# Altium PCB MASOUD.PcbDoc (part 2 of 5)
Units mm, origin at the board's own origin, x right, y up, seen from the top; angles counter-clockwise.
Board outline 244.28 x 142.63 mm, 2 copper layers (Top Layer, Bottom Layer); 506 components, 0 nets, 1687 pads, 863 vias.
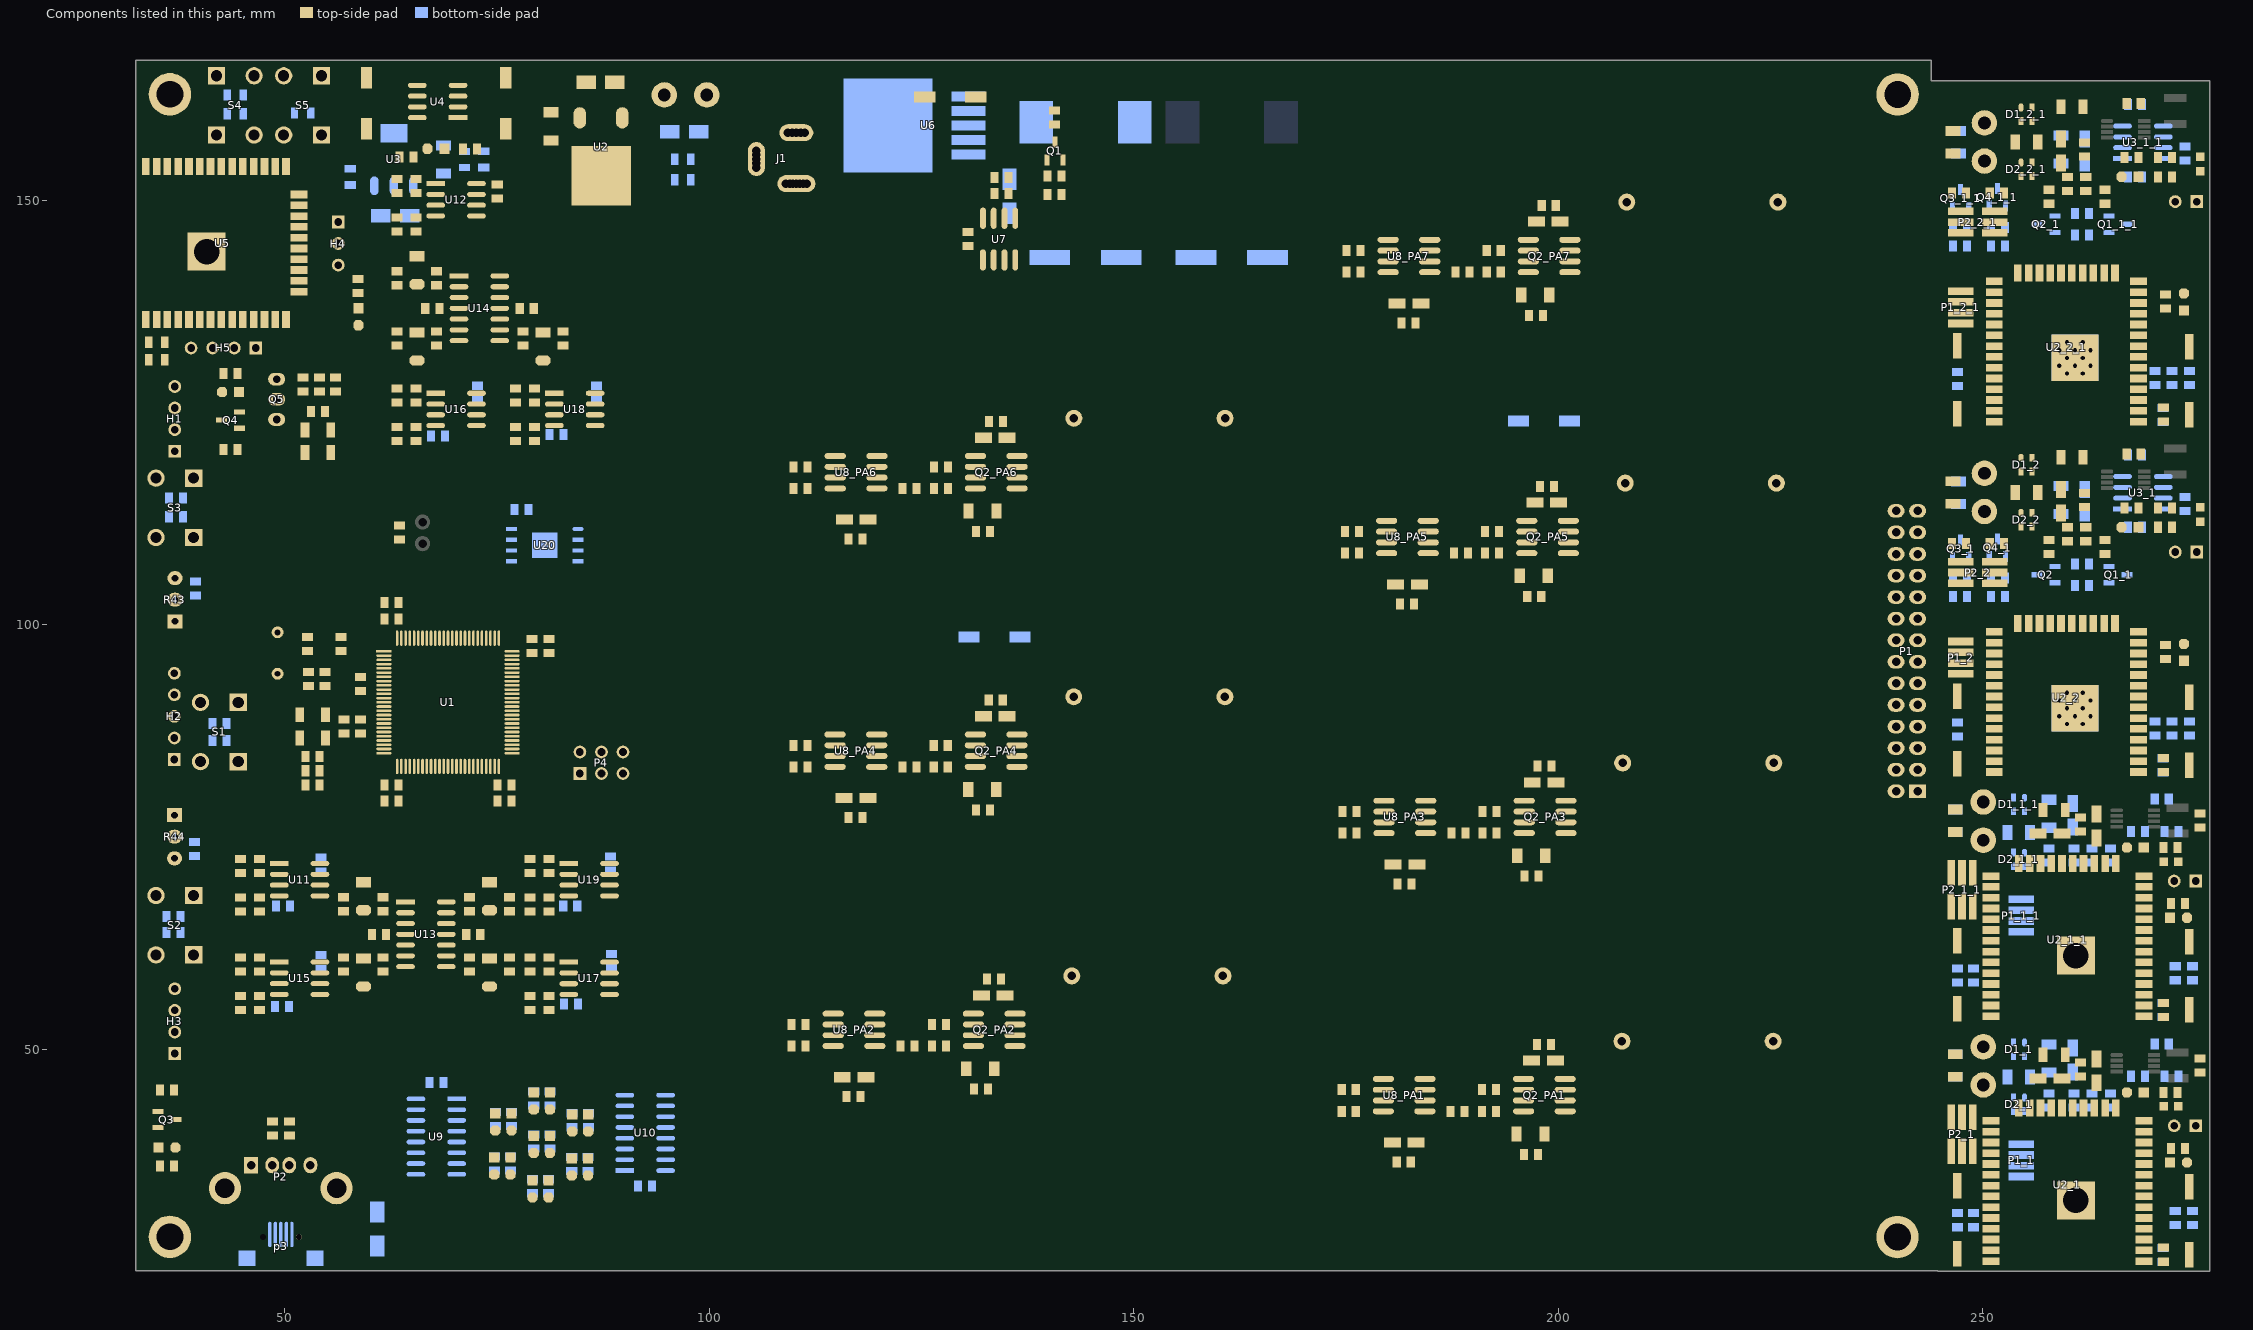
[diagram p2: the components of this part, seen from the top]

## Footprints (in the part's own frame and the unit in brackets; to place one, negate y for a bottom-side part, rotate by r counter-clockwise, add the part's x,y. Pads: shape width x height; smd on the part's side, far side on the other; paste and mask are expansions set on the pad) (continued)
LL4148#2 [mm] "MELF Diode, 2-Leads, Body 3.5x1.4mm, IPC Medium Density"
  rect 1.2x1.75 smd: 1(-1.65,0) 2(1.65,0)
  silkscreen extent -0.61,-0.87 0.57,0.88, body extent -1.78,-0.75 1.72,0.75, height 1.55
LQFP100_N [mm] "Thin QFP, 100-Leads, Body 14x14mm, Pitch 0.5mm, IPC Medium Density"
  rect 1.8x0.3 smd mask+0.05: 1(-7.55,6)
  oval 1.8x0.3 smd mask+0.05: 2(-7.55,5.5) 3(-7.55,5) 4(-7.55,4.5) 5(-7.55,4) 6(-7.55,3.5) 7(-7.55,3) 8(-7.55,2.5) 9(-7.55,2) 10(-7.55,1.5) 11(-7.55,1) 12(-7.55,0.5) 13(-7.55,0) 14(-7.55,-0.5) 15(-7.55,-1) 16(-7.55,-1.5) 17(-7.55,-2) 18(-7.55,-2.5) 19(-7.55,-3) 20(-7.55,-3.5) 21(-7.55,-4) 22(-7.55,-4.5) 23(-7.55,-5) 24(-7.55,-5.5) 25(-7.55,-6) 51(7.55,-6) 52(7.55,-5.5) 53(7.55,-5) 54(7.55,-4.5) 55(7.55,-4) 56(7.55,-3.5) 57(7.55,-3) 58(7.55,-2.5) 59(7.55,-2) 60(7.55,-1.5) 61(7.55,-1) 62(7.55,-0.5) 63(7.55,0) 64(7.55,0.5) 65(7.55,1) 66(7.55,1.5) 67(7.55,2) 68(7.55,2.5) 69(7.55,3) 70(7.55,3.5) 71(7.55,4) 72(7.55,4.5) 73(7.55,5) 74(7.55,5.5) 75(7.55,6)
  oval 0.3x1.8 smd mask+0.05: 26(-6,-7.55) 27(-5.5,-7.55) 28(-5,-7.55) 29(-4.5,-7.55) 30(-4,-7.55) 31(-3.5,-7.55) 32(-3,-7.55) 33(-2.5,-7.55) 34(-2,-7.55) 35(-1.5,-7.55) 36(-1,-7.55) 37(-0.5,-7.55) 38(0,-7.55) 39(0.5,-7.55) 40(1,-7.55) 41(1.5,-7.55) 42(2,-7.55) 43(2.5,-7.55) 44(3,-7.55) 45(3.5,-7.55) 46(4,-7.55) 47(4.5,-7.55) 48(5,-7.55) 49(5.5,-7.55) 50(6,-7.55) 76(6,7.55) 77(5.5,7.55) 78(5,7.55) 79(4.5,7.55) 80(4,7.55) 81(3.5,7.55) 82(3,7.55) 83(2.5,7.55) 84(2,7.55) 85(1.5,7.55) 86(1,7.55) 87(0.5,7.55) 88(0,7.55) 89(-0.5,7.55) 90(-1,7.55) 91(-1.5,7.55) 92(-2,7.55) 93(-2.5,7.55) 94(-3,7.55) 95(-3.5,7.55) 96(-4,7.55) 97(-4.5,7.55) 98(-5,7.55) 99(-5.5,7.55) 100(-6,7.55)
  silkscreen extent -7.67,-6.25 6.25,6.82, body extent -7,-7 7,7, height 1.6
M08A_N [mm] "SOIC, 8-Leads, Body 4.9x3.9mm, Pitch 1.27mm, IPC Medium Density"
  rect 2.2x0.6 smd: 1(-2.4,1.905)
  oval 2.2x0.6 smd: 2(-2.4,0.635) 3(-2.4,-0.635) 4(-2.4,-1.905) 5(2.4,-1.905) 6(2.4,-0.635) 7(2.4,0.635) 8(2.4,1.905)
  silkscreen extent -2.53,-2.5 0.9,2.88, body extent -2,-2.5 2,2.5, height 1.75
"Multi Turn 02" [mil]
  rect 70x65 hole 31.5: 1(0,0)
  oval 70x65 hole 31.5: 2(0,-200) 3(0,-100)
  silkscreen extent -94,-291 96,94, body extent -73,-285 93,89, height 452
my-term [mm]
  round 3 hole 1.5: 1(-2.168,0) 2(2.325,0)
  silkscreen extent -3.87,-1.7 3.98,1.71
"Power Jack" [mm] "Power Adaptor Jack"
  round 1.5 hole 1: 1(14.5,-1.25) 1(14.5,-0.8) 1(14.5,-0.4) 1(14.5,0.4) 1(14.5,0.8) 1(14.5,1.25) 2(8.5,-1) 2(8.5,1) 2(8.5,-0.5) 2(8.5,0.5) 3(10.6,-4.7) 3(11.1,-4.7) 3(12.1,-4.7) 3(12.6,-4.7)
  oval 2x4.5 hole 1: 1(14.5,0)
  oval 2x4 hole 1: 2(8.5,0)
  oval 4x2 hole 1: 3(11.6,-4.7)
  silkscreen extent 0,-4.9 15.2,4.5, body extent 0,-4.9 15.2,4.5, height 11
REG-7805-smd [mm]
  oval 1.5x2.5 smd: 1(-2.5,0) 3(2.5,0)
  rect 7x7 smd: 2(0,6.825)
  silkscreen extent -4.32,-1.82 4.19,11.18
RES0805 [mm] "Chip Resistor, 2-Leads, Body 2/00x1/25mm, IPC Medium Density DESIGNER:ABBAS BASEREH"
  rect 0.85x1.3 smd: 1(-0.95,0) 2(0.95,0)
  silkscreen extent -1.58,-0.82 1.58,0.82, body extent -1.02,-0.65 1.02,0.65, height 0.5
"RES 0805 (2012X06L)" [mm] "Chip Resistor, 2-Leads, Body 2.0x1.3mm, IPC High Density _ (0.100 W)"
  rect 0.95x1.3 smd: 1(0,0) 2(1.65,0)
  silkscreen extent 0.67,-0.55 0.97,0.55, body extent -0.19,-0.63 1.84,0.64, height 0.6
"RES 1206 (3216X08L)" [mm] "Chip Resistor, 2-Leads, Body 3.2x1.6mm, IPC High Density _ (0.125 W)"
  rect 1.05x1.7 smd: 1(0,0) 2(2.596,0)
  silkscreen extent 0.8,-0.75 1.8,0.75, body extent -0.23,-0.76 2.82,0.76, height 0.6
Screw [mm]
  round 5 hole 3.15 mask+0.1: S(0,0)
SMD_CAP_0805 [mm]
  rect 0.95x1.3 smd: 1(0,0) 2(1.65,0)
  silkscreen extent 0.67,-0.55 0.97,0.55, body extent -0.19,-0.63 1.84,0.63, height 0.65
SO8_M [mm] "SOIC, 8-Leads, Body 4.9x3.9mm, Pitch 1.27mm, IPC Low Density"
  oval 2.5x0.7 smd: 1(-2.45,1.905) 2(-2.45,0.635) 3(-2.45,-0.635) 4(-2.45,-1.905) 5(2.45,-1.905) 6(2.45,-0.635) 7(2.45,0.635) 8(2.45,1.905)
  silkscreen extent -2.57,-2.5 0.8,2.93, body extent -2,-2.5 2,2.5, height 1.75
SO8_N [mm] "SOIC, 8-Leads, Body 4.9x3.9mm, Pitch 1.27mm, IPC Medium Density"
  rect 2.2x0.6 smd: 1(-2.4,1.905)
  oval 2.2x0.6 smd: 2(-2.4,0.635) 3(-2.4,-0.635) 4(-2.4,-1.905) 5(2.4,-1.905) 6(2.4,-0.635) 7(2.4,0.635) 8(2.4,1.905)
  silkscreen extent -2.52,-2.5 0.9,2.88, body extent -1.95,-2.45 1.95,2.45, height 1.75
SO14_N [mm] "SOIC, 14-Leads, Body 8.7x3.9mm, Pitch 1.27mm, IPC Medium Density"
  rect 2.2x0.6 smd: 1(-2.4,3.81)
  oval 2.2x0.6 smd: 2(-2.4,2.54) 3(-2.4,1.27) 4(-2.4,0) 5(-2.4,-1.27) 6(-2.4,-2.54) 7(-2.4,-3.81) 8(2.4,-3.81) 9(2.4,-2.54) 10(2.4,-1.27) 11(2.4,0) 12(2.4,1.27) 13(2.4,2.54) 14(2.4,3.81)
  silkscreen extent -2.52,-4.4 0.9,4.78, body extent -1.95,-4.33 1.95,4.33, height 1.75
SOT23_N [mm] "SOT23, 3-Leads, Body 2.9x1.3mm, Pitch 0.95mm, Lead Span 2.3mm, IPC Medium Density"
  rect 1.3x0.6 smd: 1(-1.05,0.95) 2(-1.05,-0.95) 3(1.05,0)
  silkscreen extent -1.17,-1.5 0.7,1.92, body extent -1.27,-1.5 1.27,1.5, height 1.1
SOT223 [mm] "SOT223, 4-Leads, Body 6.5x3.5mm, Pitch 2.30mm-Designer Abbas Basereh"
  oval 2.2x1 smd: 1(-3.2,2.3) 2(-3.2,0) 3(-3.2,-2.3)
  rect 2.2x3.2 smd: 4(3,0)
  Top Layer pour cut-out: -1.7,3.556 1.7,3.556 1.7,-3.556 -1.7,-3.556
  silkscreen extent -3.02,-3.4 1.9,3.48, body extent -3.5,-3.25 3.5,3.25, height 1.7
SOT-32 [mm]
  oval 1.5x2 hole 0.9: B(6.25,1.5) C(3.875,1.5) E(1.5,1.5)
  silkscreen extent 0,0 7.8,3.25
"Switch - Push to On" [mil]
  rect 80x80 hole 51.18: 1(-137.5,87.5) 1(137.5,87.5)
  round 80 hole 51.18: 2(-137.5,-87.5) 2(137.5,-87.5)
  silkscreen extent -160,-130 160,130, body extent -155,-121 157,123, height 205
TACK-SW-3X5X6 [mm]
  rect 3x1 smd mask+0.05: 1(-4,0) 2(4,0)
  silkscreen extent -3,-1.78 3,1.78, body extent -4,-1.75 4,1.75, height 4.3
"Terminal 1*2_1" [mm]
  round 3 hole 1.5: 1(2.493,3.937) 2(7.493,3.937)
  silkscreen extent 0,0 10,9
UMD4 [mm]
  oct 0.6x0.9 smd mask+0.05: 1(-0.65,0.8)
  rect 0.6x0.9 smd mask+0.05: 2(-0.65,-0.8) 3(0.65,-0.8) 4(0.65,0.83)
  silkscreen extent -1.02,-1.27 1.02,1.27, body extent -1.05,-0.43 1.05,0.5, height 1
USB2.5-2H4C [mm] "Connector; USB1.1, Type A, Thru-Hole; 4 Position; Right Angle DESIGNER ABBAS BASEREH"
  rect 1.9x1.6 hole 1: 1(-5.49,-3.5)
  oval 1.9x1.6 hole 1: 2(-5.49,-1) 3(-5.49,1) 4(-5.49,3.5)
  round 3.8 hole 2.3: 4(-2.78,6.57) 4(-2.78,-6.57)
  silkscreen extent -6.96,-6.57 7,6.57, body extent -6.9,-7.9 7.6,7.9, height 7.35
USB_AB_BM_SHS [mm] "USB Micro AB - Standard (Bottom mount), Shell SMT DESIGNER ABBAS BASEREH"
  oval 0.4x3 smd mask+0.05: 1(1.3,-1.4) 2(0.65,-1.4) 3(0,-1.4) 4(-0.65,-1.4) 5(-1.3,-1.4)
  rect 2x1.8 smd mask+0.05: 5(-4,1.4) 5(4,1.4)
  round 0 hole 0.7 mask+0.05: H(-2.1,-1.1)
  round 0.7 hole 0.7 mask+0.05: H(2.1,-1.1)
  Keep-Out Layer board cut-out: -4.064,2.9 -4.064,4.291 4.064,4.291 4.064,2.9
  silkscreen extent -3.8,-1.47 3.8,2.9, body extent -4,-1.78 4,4.26, height 2.75
WSON-8x6 [mm]
  oct 1.3x0.5 smd: 1(-3.895,1.905)
  rect 1.3x0.5 smd: 2(-3.895,0.635) 3(-3.895,-0.635) 4(-3.895,-1.905) 5(3.895,-1.905) 6(3.895,-0.635) 7(3.895,0.635) 8(3.895,1.905)
  rect 3x3 smd paste-3: 9(0,0)
  Top Layer region: 1.675,2.15 1.675,-2.15 -1.675,-2.15 -1.7,-2.125 -1.7,1.55 -1.1,2.15
  silkscreen extent -4.6,-3 4,3, body extent -4,-3 4,3, height 0.75

## Part data
C1 C2 C3 C19 C25 C50: library part Cap
C1_1 C1_1_1 C1_2 C1_2_1 C2_1 C2_1_1 C2_2 C2_2_1 C3_1 C3_1_1 C3_2 C3_2_1: "Capacitor", LatestRevisionDate=17-Jul-2002, LatestRevisionNote="Re-released for DXP Platform.", PackageDescription="Radial Cap, Thru-Hole; 2 Leads; 0.3 in Pin Spacing", PackageReference=RAD-0.3, Published=8-Jun-2000, Publisher="Altium Limited"
C4 C10 C11 C27_PA1 C27_PA2 C27_PA3 C27_PA4 C27_PA5 C27_PA6 C27_PA7 C29_PA1 C29_PA2 C29_PA3 C29_PA4 C29_PA5 C29_PA6 C29_PA7 C30_PA1 C30_PA2 C30_PA3 C30_PA4 C30_PA5 C30_PA6 C30_PA7 C31 C32 C33 C34 C35 C36 C37 C38 C39 C40 C41 C42 C56 C58 C59 C60 C61 C62 C63 C64 C65 C66 C67 C68 C69 C70 C71 C72 C73: library part "Cap ceramic", "CAP-100Nf"
C4_1 C4_1_1 C4_2 C4_2_1 C9_1 C9_1_1 C11_1 C11_1_1 C11_2 C11_2_1: library part "Cap electrolitic radial 10x21", Data=16-12-2016, Designer="Abbas Basereh", Part. No=22U/25V
C5 C6: library part Cap-Polar, "Polar Capacitor", Voltage=16V, Adding Date=1387/12/20, Designer="Saeid Jorablo", Organazation=ControTec
C5_1 C5_1_1 C5_2 C5_2_1 C6_1 C6_1_1 C6_2 C6_2_1 C7_1 C7_1_1 C7_2 C7_2_1 C8_1 C8_1_1 C8_2 C8_2_1 C9_2 C9_2_1 C10_1 C10_1_1 C10_2 C10_2_1 C12 C12_1 C12_1_1 C12_2 C12_2_1 C13 C13_1 C13_1_1 C14 C15 C16 C17 C18 C20 C24 C43 C44 C45 C46 C57: library part Cap, "Capacitor", LatestRevisionDate=17-Jul-2002, LatestRevisionNote="Re-released for DXP Platform.", PackageDescription="Radial Cap, Thru-Hole; 2 Leads; 0.3 in Pin Spacing", PackageReference=RAD-0.3, Published=8-Jun-2000, Publisher="Altium Limited"
C7 C8 C9 C48 C49: library part "Cap Pol1", "Polarized Capacitor (Radial)", LatestRevisionDate=17-Jul-2002, LatestRevisionNote="Re-released for DXP Platform.", PackageDescription="Polarized Capacitor (Radial); 2 Leads", PackageReference=RB7.6-15, Published=8-Jun-2000, Publisher="Altium Limited"
C21 C47 C51: library part "Cap Pol1", "CAP seramic", LatestRevisionDate=17-Jul-2002, LatestRevisionNote="Re-released for DXP Platform.", PackageDescription="Polarized Capacitor (Radial); 2 Leads", PackageReference=RB7.6-15, Published=8-Jun-2000, Publisher="Altium Limited"
C22 C23 C26_PA1 C26_PA2 C26_PA3 C26_PA4 C26_PA5 C26_PA6 C26_PA7 C28_PA1 C28_PA2 C28_PA3 C28_PA4 C28_PA5 C28_PA6 C28_PA7: library part "Cap Pol"
C52: library part "Cap ceramic", "CAP seramic"
C53 C54 C55: library part Cap, "CAP SMD 0805", LatestRevisionDate=17-Jul-2002, LatestRevisionNote="Re-released for DXP Platform.", PackageDescription="Radial Cap, Thru-Hole; 2 Leads; 0.3 in Pin Spacing", PackageReference=RAD-0.3, Published=8-Jun-2000, Publisher="Altium Limited"
D1 D2 D5: library part "1n4007 SMD M7", "Standard Rectifiers", Manufacturer="DC COMPONENTS", Data=16-12-2016, Designer="Abbas Basereh", Link=http://www.tme.eu/en/details/m7/smd-universal-diodes/dc-components/, Part. No=M7
D1_1 D1_1_1 D1_2 D1_2_1 D2_1 D2_1_1 D2_2 D2_2_1: library part RB481
D3 D3_1 D3_1_1 D3_2 D3_2_1 D26: library part "D Zener", "Zener Diode", LatestRevisionDate=17-Jul-2002, LatestRevisionNote="Re-released for DXP Platform.", PackageDescription="Diode, Thru-Hole; 2 Leads; 0.7 in Pin Spacing", PackageReference=DIODE-0.7, Published=8-Jun-2000, Publisher="Altium Limited"
D4 D7_PA1 D7_PA2 D7_PA3 D7_PA4 D7_PA5 D7_PA6 D7_PA7 D8 D9 D10 D11 D12 D13: library part "Diode 1N4148", "High Conductance Fast Diode", Code_JEDEC=DO-204-AH, ComponentLink1Description="Manufacturer Link", ComponentLink1URL=http://www.fairchildsemi.com/, ComponentLink2Description=Datasheet, ComponentLink2URL=http://www.fairchildsemi.com/ds/1N%2F1N4148.pdf, DatasheetVersion=1997, LatestRevisionDate=17-Jul-2002, LatestRevisionNote="Re-released for DXP Platform.", PackageDescription="Diode, Axial; Body 3.8 x 1.9 mm (LxDia. max), Lead Dia. 0.53 mm (max)", PackageReference=DO-35, Published=8-Jun-2000, Publisher="Altium Limited"
D4_1 D4_1_1 D4_2 D4_2_1 D5_1 D5_1_1 D5_2 D5_2_1: "Typical RED GaAs LED", LatestRevisionDate=08-Jul-2005, LatestRevisionNote="Mech Layer 1 removed.", PackageDescription="LED; 2 Leads", PackageReference=LED-1, Published=8-Jun-2000, Publisher="Altium Limited"
D6 D28: library part "Diode 1N4007", "1 Amp General Purpose Rectifier", Code_JEDEC=DO-204-AL, ComponentLink1Description="Manufacturer Link", ComponentLink1URL=http://www.fairchildsemi.com/, ComponentLink2Description=Datasheet, ComponentLink2URL=http://www.fairchildsemi.com/ds/1N%2F1N4001.pdf, DatasheetVersion=1998, LatestRevisionDate=17-Jul-2002, LatestRevisionNote="Re-released for DXP Platform.", PackageDescription="Diode, Axial; Body 5.2 x 2.7 mm (LxDia. max), Lead Dia. 0.86 mm (max)", PackageReference=DO-41, PackageVersion=Aug-1999, Published=8-Jun-2000, Publisher="Altium Limited"
H1 H3 H5: library part H-1x4
H2: "Header, 5-Pin", LatestRevisionDate=17-Jul-2002, LatestRevisionNote="Re-released for DXP Platform.", Publisher="Altium Limited"
H4: "Header, 3-Pin", LatestRevisionDate=17-Jul-2002, LatestRevisionNote="Re-released for DXP Platform.", Publisher="Altium Limited"
L1: "SMD Inductor", Code_IEC=1005, Code_JEITA=0402, LatestRevisionDate=29-May-2009, LatestRevisionNote="IPC-7351 Footprint Added.", PackageDescription="Chip Inductor", PackageReference=0402-A, Published=8-Jun-2000, Publisher="Altium Limited"
L3 L4 L5 L6: library part Inductor, "Inductor", Code_IEC=1005, Code_JEITA=0402, LatestRevisionDate=29-May-2009, LatestRevisionNote="IPC-7351 Footprint Added.", PackageDescription="Chip Inductor", PackageReference=0402-A, Published=8-Jun-2000, Publisher="Altium Limited"
LED1 LED2_L1 LED2_L2 LED2_L3 LED2_L4 LED2_L5 LED2_L6 LED2_L7 LED3_L1 LED3_L2 LED3_L3 LED3_L4 LED3_L5 LED3_L6 LED3_L7 LED4 LED5 LED6: library part "LED 5MM", "Light Emitting Diode", Data=16-12-2016, Designer="Abbas Basereh"
M1 M2 M3 M4: library part "Board Screw", "Board Screw With Spacer"
P1: "Header, 14-Pin, Dual row", LatestRevisionDate=17-Jul-2002, LatestRevisionNote="Re-released for DXP Platform.", Publisher="Altium Limited"
P1_1 P1_1_1 P1_2 P1_2_1: "Header, 4-Pin", LatestRevisionDate=17-Jul-2002, LatestRevisionNote="Re-released for DXP Platform.", Publisher="Altium Limited"
P2: library part "USB A-Type", "USB Connector-A Type"
P2_1 P2_1_1 P2_2 P2_2_1 P4: "Header, 3-Pin, Dual row", LatestRevisionDate=17-Jul-2002, LatestRevisionNote="Re-released for DXP Platform.", Publisher="Altium Limited"
p3: library part "USB MICRO", "USB Connector MICRO-B Type", Max Current=1600mA, Category=Connector, ComponentLink1Description=Datasheet, ComponentLink2Description=Reference, Designer="ABBAS BASEREH", Mounting Technology="Surface Mount\Through-Hole", Pin Count=5-7, Publisher="ABBAS BASEREH", Status=Unreleased, Update=1395-11-17
P3_1 P3_1_1 P3_2 P3_2_1: "Header, 2-Pin", LatestRevisionDate=17-Jul-2002, LatestRevisionNote="Re-released for DXP Platform.", Publisher="Altium Limited"
Q1 Q1_1 Q1_1_1 Q2 Q2_1 Q3 Q3_1 Q3_1_1 Q4 Q4_1 Q4_1_1: "NPN Silicon Epitaxial Planar Transistor", ComponentLink1Description="Manufacturer Link", ComponentLink1URL=http://www.taitroncomponents.com/, ComponentLink2Description=Datasheet, ComponentLink2URL=http://www.taitroncomponents.com/, DatasheetVersion=2017, LatestRevisionDate=2017, LatestRevisionNote="IPC-7351 Footprint Added.", PackageDescription="3-Pin SOT-23 Package 0.95 mm Pitch, 2.3 mm Lead Span", PackageReference=SOT23, PackageVersion=2017-2-8, Published=2017-2-8, Publisher="Abbas Basereh"
Q2_PA1 Q2_PA2 Q2_PA3 Q2_PA4 Q2_PA5 Q2_PA6 Q2_PA7: library part IRF7106
Q5: "PNP Transistor", De="Seyed Mohsen Ghasemian", E-mail=picpars@gmail.com, web=www.picpars.com
R1 R2 R3 R4 R6 R7 R8 R9_PA1 R9_PA2 R9_PA3 R9_PA4 R9_PA5 R9_PA6 R9_PA7 R10_PA1 R10_PA2 R10_PA3 R10_PA4 R10_PA5 R10_PA6 R10_PA7 R11_PA1 R11_PA2 R11_PA3 R11_PA4 R11_PA5 R11_PA6 R11_PA7 R12_PA1 R12_PA2 R12_PA3 R12_PA4 R12_PA5 R12_PA6 R12_PA7 R13_PA1 R13_PA2 R13_PA3 R13_PA4 R13_PA5 R13_PA6 R13_PA7 R14_PA1 R14_PA2 R14_PA3 R14_PA4 R14_PA5 R14_PA6 R14_PA7 R15 R16 R16_1 R18 R19 R20 R21 R22 R23 R24 R25 R26 R27 R28 R29 R30 R31 R32 R33 R34 R35 R36 R38 R40 R41 R42 R45 R46 R47 R48 R49 R50 R51 R52 R53 R54 R55 R56 R57 R58 R59 R60 R61 R62 R63 R64 R65: library part Res1, "Resistor", LatestRevisionDate=17-Jul-2002, LatestRevisionNote="Re-released for DXP Platform.", PackageDescription="Axial Device, Thru-Hole; 2 Leads; 0.3 in Pin Spacing", PackageReference=AXIAL-0.3, Published=8-Jun-2000, Publisher="Altium Limited"
R1_1 R1_1_1 R1_2 R1_2_1 R2_1 R2_1_1 R2_2 R2_2_1 R3_1 R3_1_1 R3_2 R3_2_1 R4_1 R4_1_1 R4_2 R4_2_1 R5_1 R5_1_1 R5_2 R5_2_1 R6_1 R6_1_1 R6_2 R6_2_1 R7_1 R7_1_1 R7_2 R7_2_1 R8_1 R8_1_1 R8_2 R8_2_1 R9 R9_1 R9_2 R9_2_1 R10 R10_1 R11 R11_1 R12 R12_1 R13 R13_1 R14 R14_1 R15_1 R15_1_1 R15_2 R15_2_1 R16_2 R16_2_1 R17 R17_1 R17_2 R17_2_1 R18_1 R18_1_1 R18_2 R18_2_1 R19_1 R19_1_1 R20_1 R20_1_1 R21_1 R21_1_1: "Resistor", LatestRevisionDate=17-Jul-2002, LatestRevisionNote="Re-released for DXP Platform.", PackageDescription="Axial Device, Thru-Hole; 2 Leads; 0.3 in Pin Spacing", PackageReference=AXIAL-0.3, Published=8-Jun-2000, Publisher="Altium Limited"
R5 R16_L1 R16_L2 R16_L3 R16_L4 R16_L5 R16_L6 R16_L7 R17_L1 R17_L2 R17_L3 R17_L4 R17_L5 R17_L6 R17_L7 R37 R39 R66 R67: library part "RES Axial 0.25W", "RES Axial 0.25W", Data=4-1-2017, Desc.="RES Axial 0.25W", Designer="Abbas Basereh"
R43 R44: "Potentiometer", LatestRevisionDate=17-Jul-2002, LatestRevisionNote="Re-released for DXP Platform.", PackageDescription="Variable Resistor, Thru-Hole; 3 Leads", PackageReference=VR5, Published=8-Jun-2000, Publisher="Altium Limited", Set Position=0.5, Sim Note="Enter the Resistance value and the set point into parameter fields."
S1 S1_1 S1_1_1 S1_2 S1_2_1 S2 S2_1 S2_1_1 S2_2 S2_2_1 S3 S4 S5: "Push Button Switch"
T1 T1_1 T1_1_1 T1_2 T1_2_1: library part "Terminal 1*2", "Terminal 2 Pin 250VAC 16A", ComponentLinkURL=www.picpars.com, Designer="Seyed Mohsen Ghasemain", E-mail=picpars@gmail.com
U1: "STM32H7B0_VBT6 LQPF100"
U2: library part "L7805CV-Linear Voltage Regulator IC Positive 1 Output 5V 1.5A TO-220AB", "Linear Voltage Regulator IC Positive FIXED", Manufacturer=STMicroelectronics, Designer="Abbas Basereh", Link=https://www.aliexpress.com/item/, Part. No=L7805CV
U2_1 U2_1_1 U2_2 U2_2_1 U5: library part ESP32-wroom
U3: library part AMS1117-x.x, "x.x Volt, 800mA Low-Dropout Linear Regulator, 4-pin SOT-223", Data=16-12-2016, Designer="Ali Hafizi"
U3_1 U3_1_1 U11 U12 U15 U16 U17 U18 U19: "Voltage Comparator", Code_IPC=SOIC127P600-8, Code_JEDEC=MS-012-AA, ComponentLink1Description="Manufacturer Link", ComponentLink1URL=http://www.st.com/, ComponentLink2Description=Datasheet, ComponentLink2URL=http://www.st.com/stonline/products/literature/ds/4848/lm211.pdf, DatasheetVersion=Oct-1997, LatestRevisionDate=13-Apr-2006, LatestRevisionNote="IPC-7351 Footprint Added.", PackageDescription="8-Pin Small Outline Integrated Circuit 1.27 mm Pitch", PackageReference=SO8, PackageVersion=Dec-2002, Published=24-Aug-2001, Publisher="Altium Limited"
U4: "Switched Capacitor Voltage Converter", DigiKeyPartNumber=LMC7660IM-ND, Manufacturer="National Semiconductor", PackageTopMarking=NSZXTT*LMC76*60IM, PowerWise=N, Code_IPC=SOIC127P600-8, Code_JEDEC=MS-012-AA, ComponentLink1Description="LMC7660 Datasheet", ComponentLink1URL=http://www.national.com/ds/LM/LMC7660.pdf, ComponentLink2Description="LMC7660 Web Page", ComponentLink2URL=http://www.national.com/pf/LM/LMC7660.html, ComponentLink3Description="M08A Package Page", ComponentLink3URL=http://www.national.com/packaging/folders/m08a.html, CompType="Switch Caps", DatasheetVersion=Feb-2005, PackageDescription="SOIC Narrow, 4.9 x 3.9 x 1.45mm, 8 Lead, 1.27mm Pitch", PackageReference=M08A, PackageVersion="revL, Sep-2006", PartNumber=LMC7660IM, PinCount=8, Published=4-Dec-2008, Publisher="Altium Limited", RoHS=O
U6: library part lm2596
U8_PA1 U8_PA2 U8_PA3 U8_PA4 U8_PA5 U8_PA6 U8_PA7: library part ICL7667
U9 U10: "8-Bit 3-State Shift Register with Output Storage Register", Code_IPC=SOIC127P600-16, Code_JEDEC=MS-012-AC, ComponentAvailability="Not for New Design", ComponentLink1Description="Manufacturer Link", ComponentLink1URL=http://www.onsemi.com/, ComponentLink2Description=Datasheet, ComponentLink2URL=http://www.onsemi.com/pub/Collateral/MC74VHC595-D.PDF, DatasheetVersion=1997, LatestRevisionDate=13-Apr-2006, LatestRevisionNote="IPC-7351 Footprint Added.", PackageDescription="16-Pin Small Outline Integrated Circuit 1.27 mm Pitch", PackageReference=751B-05, PackageVersion=Oct-1999, Published=15-Apr-2002, Publisher="Altium Limited"
U13 U14: "General-Purpose J-FET Quad Operational Amplifier", Code_IPC=SOIC127P600-14, ComponentLink1Description="Manufacturer Link", ComponentLink1URL=http://www.st.com/, ComponentLink2Description=Datasheet, ComponentLink2URL=http://www.st.com/stonline/products/literature/ds/2301/tl084.pdf, DatasheetVersion=Jan-1999, LatestRevisionDate=13-Apr-2006, LatestRevisionNote="IPC-7351 Footprint Added.", PackageDescription="14-Pin Small Outline Integrated Circuit 1.27 mm Pitch", PackageReference=SO14, PackageVersion=Sep-1998, Published=24-Aug-2001, Publisher="Altium Limited"
U20: "NOR flash"
Y1: library part XTAL, "Crystal Oscillator", LatestRevisionDate=17-Jul-2002, LatestRevisionNote="Re-released for DXP Platform.", PackageDescription="Crystal, Thru-Hole; 2 Leads; Body 3.1 x 8.2 mm (Dia.xH)", PackageReference=R38, Published=8-Jun-2000, Publisher="Altium Limited"
J1: Adding Date=10/21/2009, Company=Personal, Designer="Saeid Jorablo", Project Name=Laser
JP1: Company=E.P.I.L, Defualt State=Close, Design Date=2011/11/02
L1_1 L1_1_1 L1_2 L1_2_1 L2: Code_IEC=1005, Code_JEITA=0402, LatestRevisionDate=29-May-2009, LatestRevisionNote="IPC-7351 Footprint Added.", PackageDescription="Chip Inductor", PackageReference=0402-A, Published=8-Jun-2000, Publisher="Altium Limited"

## Via types
v1: diameter 1.3, hole 0.7, Top Layer to Bottom Layer, tented both sides, 464 vias
v2: diameter 1, hole 0.5, Top Layer to Bottom Layer, tented both sides, 368 vias
v3: diameter 1.27, hole 0.7, Top Layer to Bottom Layer, tented both sides, 17 vias
v4: diameter 1.5, hole 0.8, Top Layer to Bottom Layer, tented both sides, 10 vias
v5: diameter 1, hole 0.5, Top Layer to Bottom Layer, 2 vias
v6: diameter 1.2, hole 0.7, Top Layer to Bottom Layer, tented both sides, 2 vias

## Nets (pads, with @x,y where several pads share a name; then routed paths per layer and width w, separated by ;. In a path a pad name is that pad's centre, name@x,y a point inside that pad or via, vN(x,y) a via of type N, cw(c..) or ccw(c..) an arc to the next point about the centre after c; other vN are vias at no path point)
pads on no net: C1.1 C1.2 C1_1.1 C1_1.2 C1_1_1.1 C1_1_1.2 C1_2.1 C1_2.2 C1_2_1.1 C1_2_1.2 C2.1 C2.2 C2_1.1 C2_1.2 C2_1_1.1 C2_1_1.2 C2_2.1 C2_2.2 C2_2_1.1 C2_2_1.2 C3.1 C3.2 C3_1.1 C3_1.2 C3_1_1.1 C3_1_1.2 C3_2.1 C3_2.2 C3_2_1.1 C3_2_1.2 C4.1 C4.2 C4_1.1 C4_1.2 C4_1_1.1 C4_1_1.2 C4_2.1 C4_2.2 C4_2_1.1 C4_2_1.2 C5.1 C5.2 C5_1.1 C5_1.2 C5_1_1.1 C5_1_1.2 C5_2.1 C5_2.2 C5_2_1.1 C5_2_1.2 C6.1 C6.2 C6_1.1 C6_1.2 C6_1_1.1 C6_1_1.2 C6_2.1 C6_2.2 C6_2_1.1 C6_2_1.2 C7.1 C7.2 C7_1.1 C7_1.2 C7_1_1.1 C7_1_1.2 C7_2.1 C7_2.2 C7_2_1.1 C7_2_1.2 C8.1 C8.2 C8_1.1 C8_1.2 C8_1_1.1 C8_1_1.2 C8_2.1 C8_2.2 C8_2_1.1 C8_2_1.2 C9.1 C9.2 C9_1.1 C9_1.2 C9_1_1.1 C9_1_1.2 C9_2.1 C9_2.2 C9_2_1.1 C9_2_1.2 C10.1 C10.2 C10_1.1 C10_1.2 C10_1_1.1 C10_1_1.2 C10_2.1 C10_2.2 C10_2_1.1 C10_2_1.2 C11.1 C11.2 C11_1.1 C11_1.2 C11_1_1.1 C11_1_1.2 C11_2.1 C11_2.2 C11_2_1.1 C11_2_1.2 C12.1 C12.2 C12_1.1 C12_1.2 C12_1_1.1 C12_1_1.2 C12_2.1 C12_2.2 C12_2_1.1 C12_2_1.2 C13.1 C13.2 C13_1.1 C13_1.2 C13_1_1.1 C13_1_1.2 C14.1 C14.2 C15.1 C15.2 C16.1 C16.2 C17.1 C17.2 C18.1 C18.2 C19.1 C19.2 C20.1 C20.2 C21.1 C21.2 C22.1 C22.2 C23.1 C23.2 C24.1 C24.2 C25.1 C25.2 C26_PA1.1 C26_PA1.2 C26_PA2.1 C26_PA2.2 C26_PA3.1 C26_PA3.2 C26_PA4.1 C26_PA4.2 C26_PA5.1 C26_PA5.2 C26_PA6.1 C26_PA6.2 C26_PA7.1 C26_PA7.2 C27_PA1.1 C27_PA1.2 C27_PA2.1 C27_PA2.2 C27_PA3.1 C27_PA3.2 C27_PA4.1 C27_PA4.2 C27_PA5.1 C27_PA5.2 C27_PA6.1 C27_PA6.2 C27_PA7.1 C27_PA7.2 C28_PA1.1 C28_PA1.2 C28_PA2.1 C28_PA2.2 C28_PA3.1 C28_PA3.2 C28_PA4.1 C28_PA4.2 C28_PA5.1 C28_PA5.2 C28_PA6.1 C28_PA6.2 C28_PA7.1 C28_PA7.2 C29_PA1.1 C29_PA1.2 C29_PA2.1 C29_PA2.2 C29_PA3.1 C29_PA3.2 C29_PA4.1 C29_PA4.2 C29_PA5.1 C29_PA5.2 C29_PA6.1 C29_PA6.2 C29_PA7.1 C29_PA7.2 C30_PA1.1 C30_PA1.2 C30_PA2.1 C30_PA2.2 C30_PA3.1 C30_PA3.2 C30_PA4.1 C30_PA4.2 C30_PA5.1 C30_PA5.2 C30_PA6.1 C30_PA6.2 C30_PA7.1 C30_PA7.2 C31.1 C31.2 C32.1 C32.2 C33.1 C33.2 C34.1 C34.2 C35.1 C35.2 C36.1 C36.2 C37.1 C37.2 C38.1 C38.2 C39.1 C39.2 C40.1 C40.2 C41.1 C41.2 C42.1 C42.2 C43.1 C43.2 C44.1 C44.2 C45.1 C45.2 C46.1 C46.2 C47.1 C47.2 C48.1 C48.2 C49.1 C49.2 C50.1 C50.2 C51.1 C51.2 C52.1 C52.2 C53.1 C53.2 C54.1 C54.2 C55.1 C55.2 C56.1 C56.2 C57.1 C57.2 C58.1 C58.2 C59.1 C59.2 C60.1 C60.2 C61.1 C61.2 C62.1 C62.2 C63.1 C63.2 C64.1 C64.2 C65.1 C65.2 C66.1 C66.2 C67.1 C67.2 C68.1 C68.2 C69.1 C69.2 C70.1 C70.2 C71.1 C71.2 C72.1 C72.2 C73.1 C73.2 D1.1 D1.2 D1_1.1 D1_1.2 D1_1.3 D1_1.4 D1_1_1.1 D1_1_1.2 D1_1_1.3 D1_1_1.4 D1_2.1 D1_2.2 D1_2.3 D1_2.4 D1_2_1.1 D1_2_1.2 D1_2_1.3 D1_2_1.4 D2.1 D2.2 D2_1.1 D2_1.2 D2_1.3 D2_1.4 D2_1_1.1 D2_1_1.2 D2_1_1.3 D2_1_1.4 D2_2.1 D2_2.2 D2_2.3 D2_2.4 D2_2_1.1 D2_2_1.2 D2_2_1.3 D2_2_1.4 D3.1 D3.2 D3_1.1 D3_1.2 D3_1_1.1 D3_1_1.2 D3_2.1 D3_2.2 D3_2_1.1 D3_2_1.2 D4.1 D4.2 D4_1.1 D4_1.2 D4_1_1.1 D4_1_1.2 D4_2.1 D4_2.2 D4_2_1.1 D4_2_1.2 D5.1 D5.2 D5_1.1 D5_1.2 D5_1_1.1 D5_1_1.2 D5_2.1 D5_2.2 D5_2_1.1 D5_2_1.2 D6.1 D6.2 D7_PA1.1 D7_PA1.2 D7_PA2.1 D7_PA2.2 D7_PA3.1 D7_PA3.2 D7_PA4.1 D7_PA4.2 D7_PA5.1 D7_PA5.2 D7_PA6.1 D7_PA6.2 D7_PA7.1 D7_PA7.2 D8.1 D8.2 D9.1 D9.2 D10.1 D10.2 D11.1 D11.2 D12.1 D12.2 D13.1 D13.2 D26.1 D26.2 D28.1 D28.2 H1.1 H1.2 H1.3 H1.4 H2.1 H2.2 H2.3 H2.4 H2.5 H3.1 H3.2 H3.3 H3.4 H4.1 H4.2 H4.3 H5.1 H5.2 H5.3 H5.4 J1.1 J1.2 J1.3 JP1.1 JP1.2 L1.1 L1.2 L1_1.1 L1_1.2 L1_1_1.1 L1_1_1.2 L1_2.1 L1_2.2 L1_2_1.1 L1_2_1.2 L2.1 L2.2 L3.1 L3.2 L4.1 L4.2 L5.1 L5.2 L6.1 L6.2 LED1.1 LED1.2 LED2_L1.1 LED2_L1.2 LED2_L2.1 LED2_L2.2 LED2_L3.1 LED2_L3.2 LED2_L4.1 LED2_L4.2 LED2_L5.1 LED2_L5.2 LED2_L6.1 LED2_L6.2 LED2_L7.1 LED2_L7.2 LED3_L1.1 LED3_L1.2 LED3_L2.1 LED3_L2.2 LED3_L3.1 LED3_L3.2 LED3_L4.1 LED3_L4.2 LED3_L5.1 LED3_L5.2 LED3_L6.1 LED3_L6.2 LED3_L7.1 LED3_L7.2 LED4.1 LED4.2 LED5.1 LED5.2 LED6.1 LED6.2 M1.S M2.S M3.S M4.S P1.1 P1.2 P1.3 P1.4 P1.5 P1.6 P1.7 P1.8 P1.9 P1.10 P1.11 P1.12 P1.13 P1.14 P1.15 P1.16 P1.17 P1.18 P1.19 P1.20 P1.21 P1.22 P1.23 P1.24 P1.25 P1.26 P1.27 P1.28 P1_1.1 P1_1.2 P1_1.3 P1_1.4 P1_1_1.1 P1_1_1.2 P1_1_1.3 P1_1_1.4 P1_2.1 P1_2.2 P1_2.3 P1_2.4 P1_2_1.1 P1_2_1.2 P1_2_1.3 P1_2_1.4 P2.1 P2.2 P2.3 P2.4 P2_1.1 P2_1.2 P2_1.3 P2_1.4 P2_1.5 P2_1.6 P2_1_1.1 P2_1_1.2 P2_1_1.3 P2_1_1.4 P2_1_1.5 P2_1_1.6 P2_2.1 P2_2.2 P2_2.3 P2_2.4 P2_2.5 P2_2.6 P2_2_1.1 P2_2_1.2 P2_2_1.3 P2_2_1.4 P2_2_1.5 P2_2_1.6 p3.1 p3.2 p3.3 p3.4 p3.5 p3.H P3_1.1 P3_1.2 P3_1_1.1 P3_1_1.2 P3_2.1 P3_2.2 P3_2_1.1 P3_2_1.2 P4.1 P4.2 P4.3 P4.4 P4.5 P4.6 Q1.1 Q1.2 Q1.3 Q1_1.1 Q1_1.2 Q1_1.3 Q1_1_1.1 Q1_1_1.2 Q1_1_1.3 Q2.1 Q2.2 Q2.3 Q2_1.1 Q2_1.2 Q2_1.3 Q2_PA1.1 Q2_PA1.2 Q2_PA1.3 Q2_PA1.4 Q2_PA1.5 Q2_PA1.6 Q2_PA1.7 Q2_PA1.8 Q2_PA2.1 Q2_PA2.2 Q2_PA2.3 Q2_PA2.4 Q2_PA2.5 Q2_PA2.6 Q2_PA2.7 Q2_PA2.8 Q2_PA3.1 Q2_PA3.2 Q2_PA3.3 Q2_PA3.4 Q2_PA3.5 Q2_PA3.6 Q2_PA3.7 Q2_PA3.8 Q2_PA4.1 Q2_PA4.2 Q2_PA4.3 Q2_PA4.4 Q2_PA4.5 Q2_PA4.6 Q2_PA4.7 Q2_PA4.8 Q2_PA5.1 Q2_PA5.2 Q2_PA5.3 Q2_PA5.4 Q2_PA5.5 Q2_PA5.6 Q2_PA5.7 Q2_PA5.8 Q2_PA6.1 Q2_PA6.2 Q2_PA6.3 Q2_PA6.4 Q2_PA6.5 Q2_PA6.6 Q2_PA6.7 Q2_PA6.8 Q2_PA7.1 Q2_PA7.2 Q2_PA7.3 Q2_PA7.4 Q2_PA7.5 Q2_PA7.6 Q2_PA7.7 Q2_PA7.8 Q3.1 Q3.2 Q3.3 Q3_1.1 Q3_1.2 Q3_1.3 Q3_1_1.1 Q3_1_1.2 Q3_1_1.3 Q4.1 Q4.2 Q4.3 Q4_1.1 Q4_1.2 Q4_1.3 Q4_1_1.1 Q4_1_1.2 Q4_1_1.3 Q5.B Q5.C Q5.E R1.1 R1.2 R1_1.1 R1_1.2 R1_1_1.1 R1_1_1.2 R1_2.1 R1_2.2 R1_2_1.1 R1_2_1.2 R2.1 R2.2 R2_1.1 R2_1.2 R2_1_1.1 R2_1_1.2 R2_2.1 R2_2.2 R2_2_1.1 R2_2_1.2 R3.1 R3.2 R3_1.1 R3_1.2 R3_1_1.1 R3_1_1.2 R3_2.1 R3_2.2 R3_2_1.1 R3_2_1.2 R4.1 R4.2 R4_1.1 R4_1.2 R4_1_1.1 R4_1_1.2 R4_2.1 R4_2.2 R4_2_1.1 R4_2_1.2 R5.1 R5.2 R5_1.1 R5_1.2 R5_1_1.1 R5_1_1.2 R5_2.1 R5_2.2 R5_2_1.1 R5_2_1.2 R6.1 R6.2 R6_1.1 R6_1.2 R6_1_1.1 R6_1_1.2 R6_2.1 R6_2.2 R6_2_1.1 R6_2_1.2 R7.1 R7.2 R7_1.1 R7_1.2 R7_1_1.1 R7_1_1.2 R7_2.1 R7_2.2 R7_2_1.1 R7_2_1.2 R8.1 R8.2 R8_1.1 R8_1.2 R8_1_1.1 R8_1_1.2 R8_2.1 R8_2.2 R8_2_1.1 R8_2_1.2 R9.1 R9.2 R9_1.1 R9_1.2 R9_2.1 R9_2.2 R9_2_1.1 R9_2_1.2 R9_PA1.1 R9_PA1.2 R9_PA2.1 R9_PA2.2 R9_PA3.1 R9_PA3.2 R9_PA4.1 R9_PA4.2 R9_PA5.1 R9_PA5.2 R9_PA6.1 R9_PA6.2 R9_PA7.1 R9_PA7.2 R10.1 R10.2 R10_1.1 R10_1.2 R10_PA1.1 R10_PA1.2 R10_PA2.1 R10_PA2.2 R10_PA3.1 R10_PA3.2 R10_PA4.1 R10_PA4.2 R10_PA5.1 R10_PA5.2 R10_PA6.1 R10_PA6.2 R10_PA7.1 R10_PA7.2 R11.1 R11.2 R11_1.1 R11_1.2 R11_PA1.1 R11_PA1.2 R11_PA2.1 R11_PA2.2 R11_PA3.1 R11_PA3.2 R11_PA4.1 R11_PA4.2 R11_PA5.1 R11_PA5.2 R11_PA6.1 R11_PA6.2 R11_PA7.1 R11_PA7.2 R12.1 R12.2 R12_1.1 R12_1.2 R12_PA1.1 R12_PA1.2 R12_PA2.1 R12_PA2.2 R12_PA3.1 R12_PA3.2 R12_PA4.1 R12_PA4.2 R12_PA5.1 R12_PA5.2 R12_PA6.1 R12_PA6.2 R12_PA7.1 R12_PA7.2 R13.1 R13.2 R13_1.1 R13_1.2 R13_PA1.1 R13_PA1.2 R13_PA2.1 R13_PA2.2 R13_PA3.1 R13_PA3.2 R13_PA4.1 R13_PA4.2 R13_PA5.1 R13_PA5.2 R13_PA6.1 R13_PA6.2 R13_PA7.1 R13_PA7.2 R14.1 R14.2 R14_1.1 R14_1.2 R14_PA1.1 R14_PA1.2 R14_PA2.1 R14_PA2.2 R14_PA3.1 R14_PA3.2 R14_PA4.1 R14_PA4.2 R14_PA5.1 R14_PA5.2 R14_PA6.1 R14_PA6.2 R14_PA7.1 R14_PA7.2 R15.1 R15.2 R15_1.1 R15_1.2 R15_1_1.1 R15_1_1.2 R15_2.1 R15_2.2 R15_2_1.1 R15_2_1.2 R16.1 R16.2 R16_1.1 R16_1.2 R16_2.1 R16_2.2 R16_2_1.1 R16_2_1.2 R16_L1.1 R16_L1.2 R16_L2.1 R16_L2.2 R16_L3.1 R16_L3.2 R16_L4.1 R16_L4.2 R16_L5.1 R16_L5.2 R16_L6.1 R16_L6.2 R16_L7.1 R16_L7.2 R17.1 R17.2 R17_1.1 R17_1.2 R17_2.1 R17_2.2 R17_2_1.1 R17_2_1.2 R17_L1.1 R17_L1.2 R17_L2.1 R17_L2.2 R17_L3.1 R17_L3.2 R17_L4.1 R17_L4.2 R17_L5.1 R17_L5.2 R17_L6.1 R17_L6.2 R17_L7.1 R17_L7.2 R18.1 R18.2 R18_1.1 R18_1.2 R18_1_1.1 R18_1_1.2 R18_2.1 R18_2.2 R18_2_1.1 R18_2_1.2 R19.1 R19.2 R19_1.1 R19_1.2 R19_1_1.1 R19_1_1.2 R20.1 R20.2 R20_1.1 R20_1.2 R20_1_1.1 R20_1_1.2 R21.1 R21.2 R21_1.1 R21_1.2 R21_1_1.1 R21_1_1.2 R22.1 R22.2 R23.1 R23.2 R24.1 R24.2 R25.1 R25.2 R26.1 R26.2 R27.1 R27.2 R28.1 R28.2 R29.1 R29.2 R30.1 R30.2 R31.1 R31.2 R32.1 R32.2 R33.1 R33.2 R34.1 R34.2 R35.1 R35.2 R36.1 R36.2 R37.1 R37.2 R38.1 R38.2 R39.1 R39.2 R40.1 R40.2 R41.1 R41.2 R42.1 R42.2 R43.1 R43.2 R43.3 R44.1 R44.2 R44.3 R45.1 R45.2 R46.1 R46.2 R47.1 R47.2 R48.1 R48.2 R49.1 R49.2 R50.1 R50.2 R51.1 R51.2 R52.1 R52.2 R53.1 R53.2 R54.1 R54.2 R55.1 R55.2 R56.1 R56.2 R57.1 R57.2 R58.1 R58.2 R59.1 R59.2 R60.1 R60.2 R61.1 R61.2 R62.1 R62.2 R63.1 R63.2 R64.1 R64.2 R65.1 R65.2 R66.1 R66.2 R67.1 R67.2 S1.1 S1.2 S1_1.1 S1_1.2 S1_1_1.1 S1_1_1.2 S1_2.1 S1_2.2 S1_2_1.1 S1_2_1.2 S2.1 S2.2 S2_1.1 S2_1.2 S2_1_1.1 S2_1_1.2 S2_2.1 S2_2.2 S2_2_1.1 S2_2_1.2 S3.1 S3.2 S4.1 S4.2 S5.1 S5.2 T1.1 T1.2 T1_1.1 T1_1.2 T1_1_1.1 T1_1_1.2 T1_2.1 T1_2.2 T1_2_1.1 T1_2_1.2 U1.1 U1.2 U1.3 U1.4 U1.5 U1.6 U1.7 U1.8 U1.9 U1.10 U1.11 U1.12 U1.13 U1.14 U1.15 U1.16 U1.17 U1.18 U1.19 U1.20 U1.21 U1.22 U1.23 U1.24 U1.25 U1.26 U1.27 U1.28 U1.29 U1.30 U1.31 U1.32 U1.33 U1.34 U1.35 U1.36 U1.37 U1.38 U1.39 U1.40 U1.41 U1.42 U1.43 U1.44 U1.45 U1.46 U1.47 U1.48 U1.49 U1.50 U1.51 U1.52 U1.53 U1.54 U1.55 U1.56 U1.57 U1.58 U1.59 U1.60 U1.61 U1.62 U1.63 U1.64 U1.65 U1.66 U1.67 U1.68 U1.69 U1.70 U1.71 U1.72 U1.73 U1.74 U1.75 U1.76 U1.77 U1.78 U1.79 U1.80 U1.81 U1.82 U1.83 U1.84 U1.85 U1.86 U1.87 U1.88 U1.89 U1.90 U1.91 U1.92 U1.93 U1.94 U1.95 U1.96 U1.97 U1.98 U1.99 U1.100 U1_1.1 U1_1.2 U1_1.3 U1_1.4 U1_1.5 U1_1.6 U1_1.7 U1_1.8 U1_1_1.1 U1_1_1.2 U1_1_1.3 U1_1_1.4 U1_1_1.5 U1_1_1.6 U1_1_1.7 U1_1_1.8 U1_2.1 U1_2.2 U1_2.3 U1_2.4 U1_2.5 U1_2.6 U1_2.7 U1_2.8 U1_2_1.1 U1_2_1.2 U1_2_1.3 U1_2_1.4 U1_2_1.5 U1_2_1.6 U1_2_1.7 U1_2_1.8 U2.1 U2.2 U2.3 U2_1.1 U2_1.2 U2_1.3 U2_1.4 U2_1.5 U2_1.6 U2_1.7 U2_1.8 U2_1.9 U2_1.10 U2_1.11 U2_1.12 U2_1.13 U2_1.14 U2_1.15 U2_1.16 U2_1.17 U2_1.18 U2_1.19 U2_1.20 U2_1.21 U2_1.22 U2_1.23 U2_1.24 U2_1.25 U2_1.26 U2_1.27 U2_1.28 U2_1.29 U2_1.30 U2_1.31 U2_1.32 U2_1.33 U2_1.34 U2_1.35 U2_1.36 U2_1.37 U2_1.38 U2_1.39 U2_1_1.1 U2_1_1.2 U2_1_1.3 U2_1_1.4 U2_1_1.5 U2_1_1.6 U2_1_1.7 U2_1_1.8 U2_1_1.9 U2_1_1.10 U2_1_1.11 U2_1_1.12 U2_1_1.13 U2_1_1.14 U2_1_1.15 U2_1_1.16 U2_1_1.17 U2_1_1.18 U2_1_1.19 U2_1_1.20 U2_1_1.21 U2_1_1.22 U2_1_1.23 U2_1_1.24 U2_1_1.25 U2_1_1.26 U2_1_1.27 U2_1_1.28 U2_1_1.29 U2_1_1.30 U2_1_1.31 U2_1_1.32 U2_1_1.33 U2_1_1.34 U2_1_1.35 U2_1_1.36 U2_1_1.37 U2_1_1.38 U2_1_1.39 U2_2.1 U2_2.2 U2_2.3 U2_2.4 U2_2.5 U2_2.6 U2_2.7 U2_2.8 U2_2.9 U2_2.10 U2_2.11 U2_2.12 U2_2.13 U2_2.14 U2_2.15 U2_2.16 U2_2.17 U2_2.18 U2_2.19 U2_2.20 U2_2.21 U2_2.22 U2_2.23 U2_2.24 U2_2.25 U2_2.26 U2_2.27 U2_2.28 U2_2.29 U2_2.30 U2_2.31 U2_2.32 U2_2.33 U2_2.34 U2_2.35 U2_2.36 U2_2.37 U2_2.38 U2_2.39 U2_2_1.1 U2_2_1.2 U2_2_1.3 U2_2_1.4 U2_2_1.5 U2_2_1.6 U2_2_1.7 U2_2_1.8 U2_2_1.9 U2_2_1.10 U2_2_1.11 U2_2_1.12 U2_2_1.13 U2_2_1.14 U2_2_1.15 U2_2_1.16 U2_2_1.17 U2_2_1.18 U2_2_1.19 U2_2_1.20 U2_2_1.21 U2_2_1.22 U2_2_1.23 U2_2_1.24 U2_2_1.25 U2_2_1.26 U2_2_1.27 U2_2_1.28 U2_2_1.29 U2_2_1.30 U2_2_1.31 U2_2_1.32 U2_2_1.33 U2_2_1.34 U2_2_1.35 U2_2_1.36 U2_2_1.37 U2_2_1.38 U2_2_1.39 U3.1 U3.2 U3.3 U3.4 U3_1.1 U3_1.2 U3_1.3 U3_1.4 U3_1.5 U3_1.6 U3_1.7 U3_1.8 U3_1_1.1 U3_1_1.2 U3_1_1.3 U3_1_1.4 U3_1_1.5 U3_1_1.6 U3_1_1.7 U3_1_1.8 U4.1 U4.2 U4.3 U4.4 U4.5 U4.6 U4.7 U4.8 U5.1 U5.2 U5.3 U5.4 U5.5 U5.6 U5.7 U5.8 U5.9 U5.10 U5.11 U5.12 U5.13 U5.14 U5.15 U5.16 U5.17 U5.18 U5.19 U5.20 U5.21 U5.22 U5.23 U5.24 U5.25 U5.26 U5.27 U5.28 U5.29 U5.30 U5.31 U5.32 U5.33 U5.34 U5.35 U5.36 U5.37 U5.38 U5.39 U6.1 U6.2 U6.3 U6.4 U6.5 U7.1 U7.2 U7.3 U7.4 U7.5 U7.6 U7.7 U7.8 U8_PA1.1 U8_PA1.2 U8_PA1.3 U8_PA1.4 U8_PA1.5 U8_PA1.6 U8_PA1.7 U8_PA1.8 U8_PA2.1 U8_PA2.2 U8_PA2.3 U8_PA2.4 U8_PA2.5 U8_PA2.6 U8_PA2.7 U8_PA2.8 U8_PA3.1 U8_PA3.2 U8_PA3.3 U8_PA3.4 U8_PA3.5 U8_PA3.6 U8_PA3.7 U8_PA3.8 U8_PA4.1 U8_PA4.2 U8_PA4.3 U8_PA4.4 U8_PA4.5 U8_PA4.6 U8_PA4.7 U8_PA4.8 U8_PA5.1 U8_PA5.2 U8_PA5.3 U8_PA5.4 U8_PA5.5 U8_PA5.6 U8_PA5.7 U8_PA5.8 U8_PA6.1 U8_PA6.2 U8_PA6.3 U8_PA6.4 U8_PA6.5 U8_PA6.6 U8_PA6.7 U8_PA6.8 U8_PA7.1 U8_PA7.2 U8_PA7.3 U8_PA7.4 U8_PA7.5 U8_PA7.6 U8_PA7.7 U8_PA7.8 U9.1 U9.2 U9.3 U9.4 U9.5 U9.6 U9.7 U9.8 U9.9 U9.10 U9.11 U9.12 U9.13 U9.14 U9.15 U9.16 U10.1 U10.2 U10.3 U10.4 U10.5 U10.6 U10.7 U10.8 U10.9 U10.10 U10.11 U10.12 U10.13 U10.14 U10.15 U10.16 U11.1 U11.2 U11.3 U11.4 U11.5 U11.6 U11.7 U11.8 U12.1 U12.2 U12.3 U12.4 U12.5 U12.6 U12.7 U12.8 U13.1 U13.2 U13.3 U13.4 U13.5 U13.6 U13.7 U13.8 U13.9 U13.10 U13.11 U13.12 U13.13 U13.14 U14.1 U14.2 U14.3 U14.4 U14.5 U14.6 U14.7 U14.8 U14.9 U14.10 U14.11 U14.12 U14.13 U14.14 U15.1 U15.2 U15.3 U15.4 U15.5 U15.6 U15.7 U15.8 U16.1 U16.2 U16.3 U16.4 U16.5 U16.6 U16.7 U16.8 U17.1 U17.2 U17.3 U17.4 U17.5 U17.6 U17.7 U17.8 U18.1 U18.2 U18.3 U18.4 U18.5 U18.6 U18.7 U18.8 U19.1 U19.2 U19.3 U19.4 U19.5 U19.6 U19.7 U19.8 U20.1 U20.2 U20.3 U20.4 U20.5 U20.6 U20.7 U20.8 U20.9 Y1.1 Y1.2